# Altium PCB PCB1.PcbDoc (part 8 of 15) (continued)
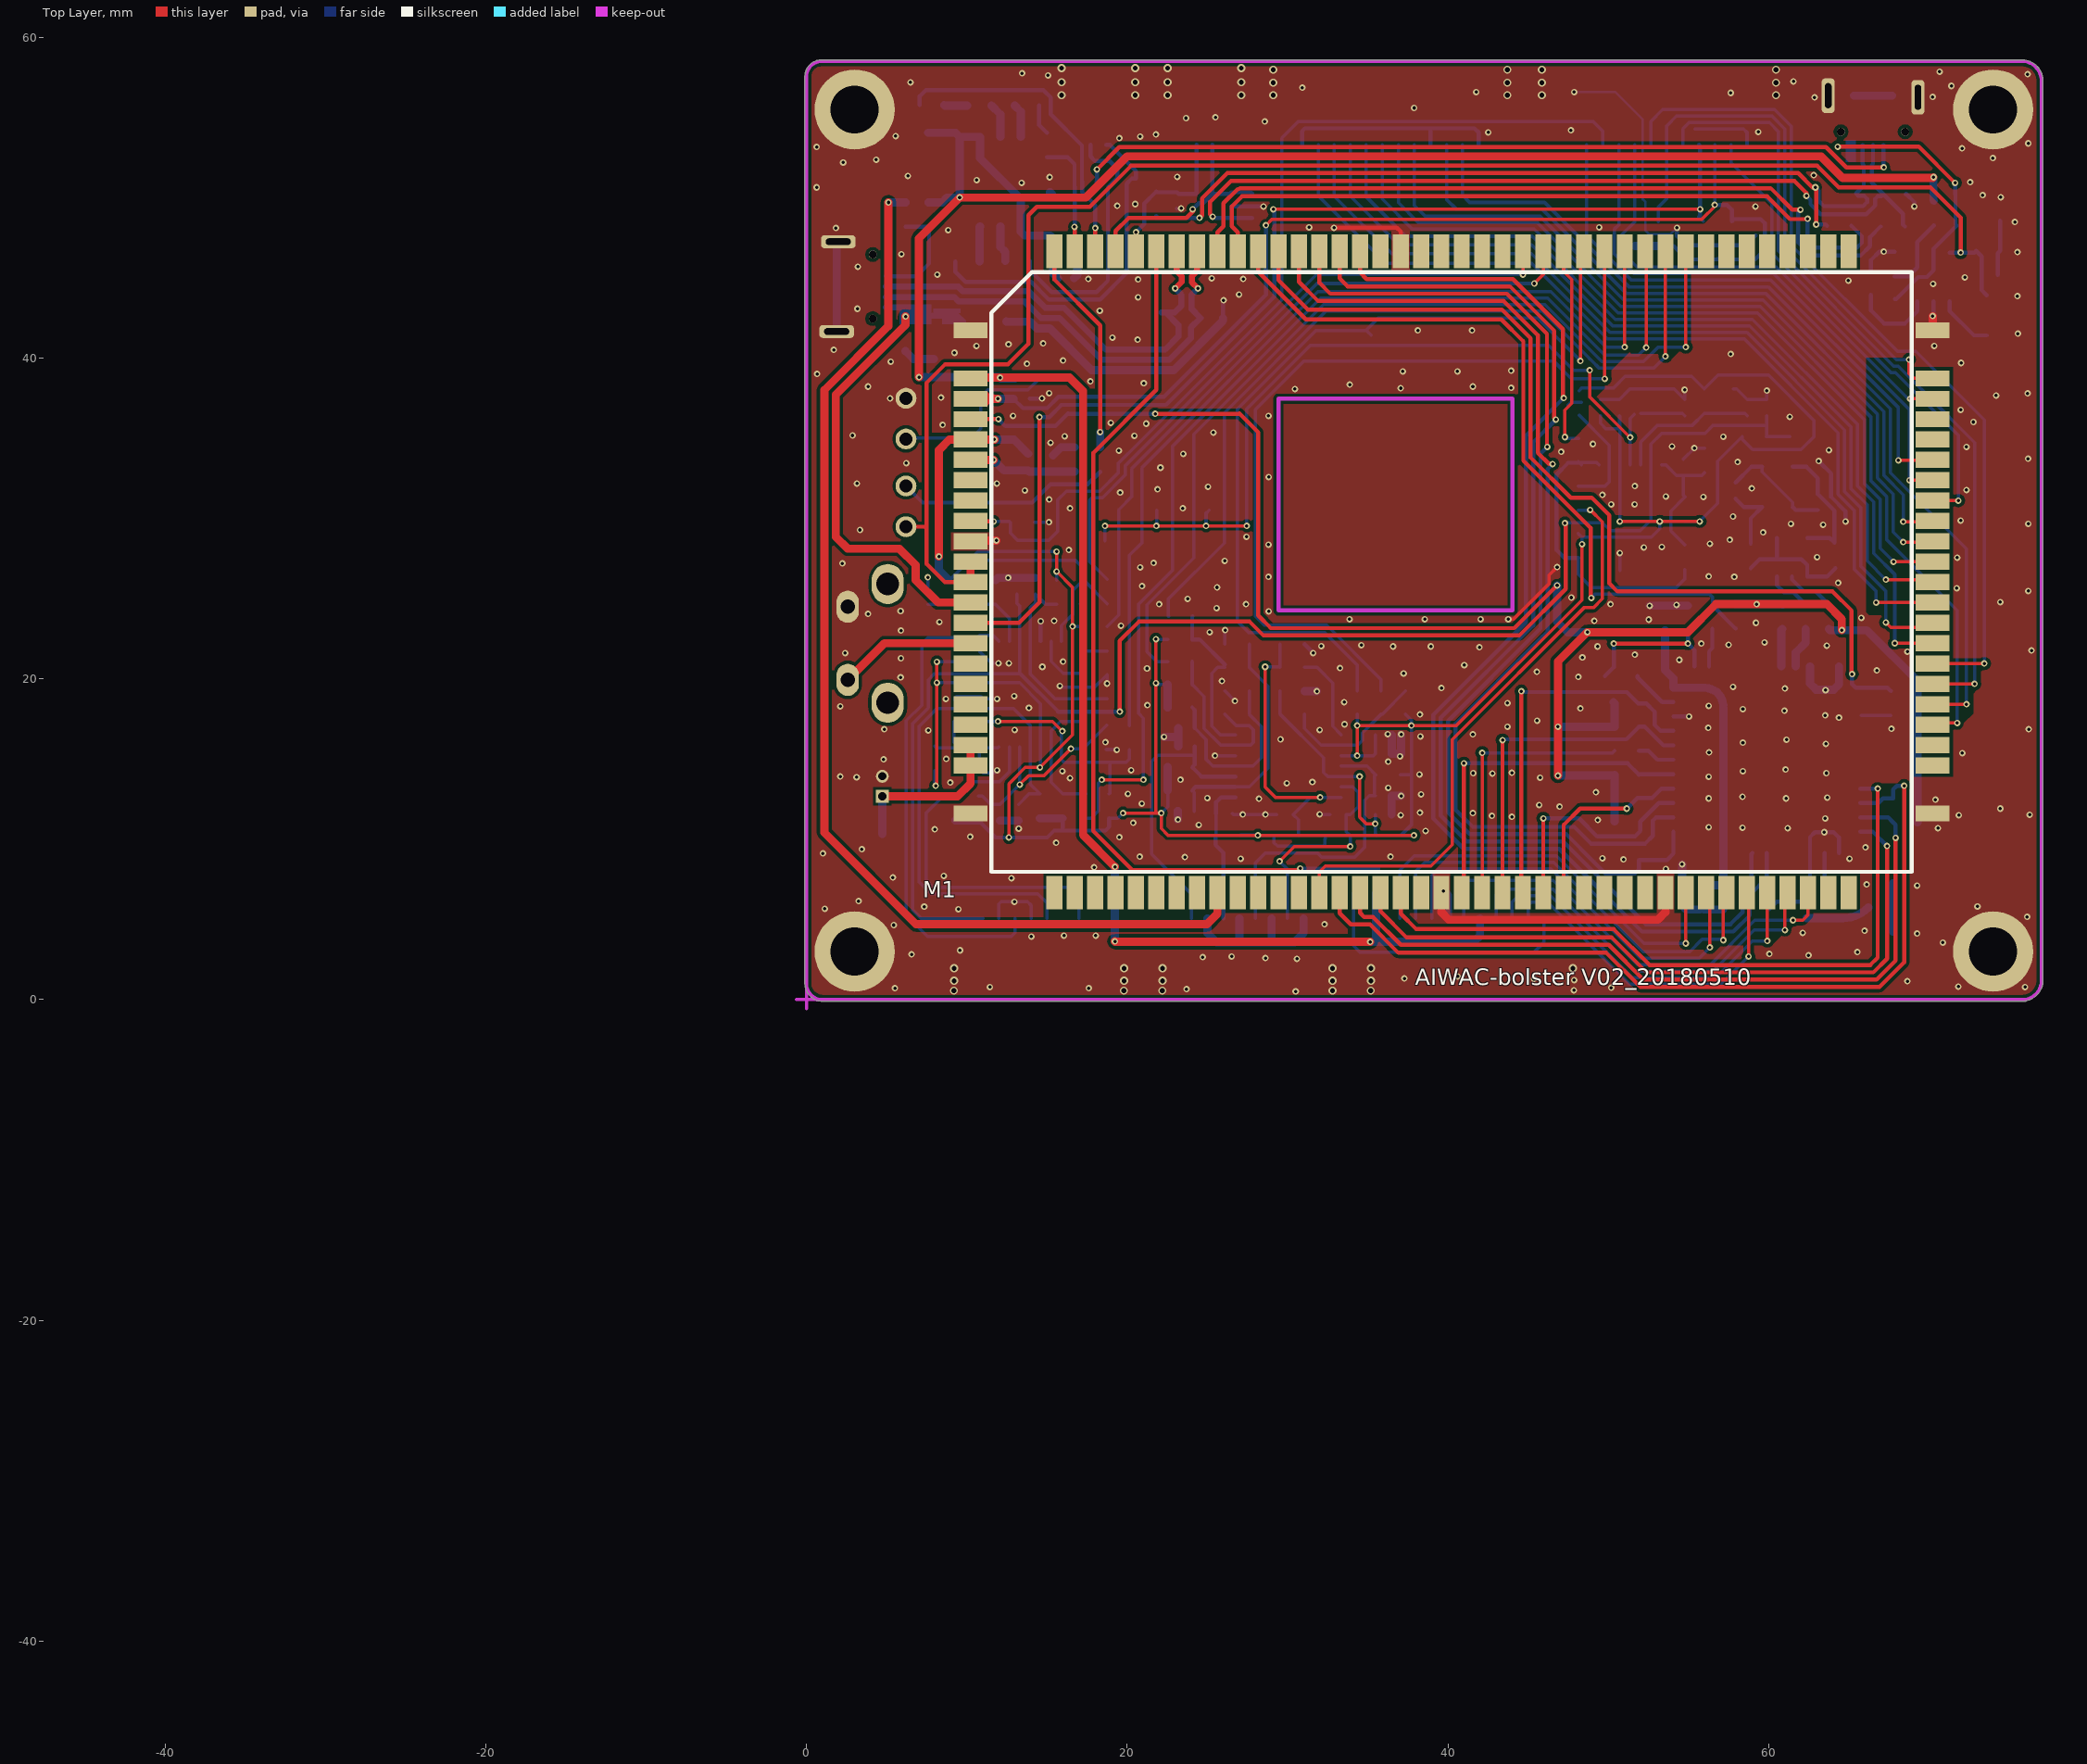
[diagram p0: Top Layer view]
## Free pads (board coordinates) (continued)
1(-45.263,-43.971) 1(-45.263,-43.971) 1(-45.263,-43.971) 1(-45.263,-43.971) 1(-45.263,-43.971) 1(-45.262,-43.977) 1(-45.262,-43.977) 1(-45.262,-43.977) 1(-45.262,-43.984) 1(-45.262,-43.984) 1(-45.262,-43.984) 1(-45.262,-43.984) 1(-45.262,-43.984) 1(-45.262,-43.984) 1(-45.262,-44.012) 1(-45.262,-44.012) 1(-45.262,-44.012) 1(-45.262,-44.012) 1(-45.262,-44.012) 1(-45.262,-44.012) 1(-45.262,-44.011) 1(-45.262,-44.011) 1(-45.262,-44.011) 1(-45.262,-44.003) 1(-45.262,-44.003) 1(-45.262,-44.003) 1(-45.262,-44.003) 1(-45.262,-44.003) 1(-45.262,-44.003) 1(-45.262,-44.003) 1(-45.262,-44.003) 1(-45.262,-44.003) 1(-45.262,-44.003) 1(-45.262,-44.003) 1(-45.262,-44.003) 1(-45.262,-43.983) 1(-45.262,-43.983) 1(-45.262,-43.983) 1(-45.262,-43.983) 1(-45.262,-43.983) 1(-45.262,-43.983) 1(-45.262,-43.98) 1(-45.262,-43.98) 1(-45.262,-43.98) 1(-45.262,-43.98) 1(-45.262,-43.98) 1(-45.262,-43.98) 1(-45.262,-44.006) 1(-45.262,-44.006) 1(-45.262,-44.006) 1(-45.262,-43.98) 1(-45.262,-43.98) 1(-45.262,-43.98) 1(-45.262,-43.98) 1(-45.262,-43.98) 1(-45.262,-43.98) 1(-45.262,-44.004) 1(-45.262,-44.004) 1(-45.262,-44.004) 1(-45.262,-44.004) 1(-45.262,-44.004) 1(-45.262,-44.004) 1(-45.262,-44.016) 1(-45.262,-44.016) 1(-45.262,-44.016) 1(-45.262,-44.016) 1(-45.262,-44.016) 1(-45.262,-44.016) 1(-45.262,-43.981) 1(-45.262,-43.981) 1(-45.262,-43.981) 1(-45.262,-43.981) 1(-45.262,-43.981) 1(-45.262,-43.981) 1(-45.262,-43.975) 1(-45.262,-43.975) 1(-45.262,-43.975) 1(-45.262,-43.975) 1(-45.262,-43.975) 1(-45.262,-43.975) 1(-45.262,-43.972) 1(-45.262,-43.972) 1(-45.262,-43.972) 1(-45.262,-44.013) 1(-45.262,-44.013) 1(-45.262,-44.013) 1(-45.262,-44.008) 1(-45.262,-44.008) 1(-45.262,-44.008) 1(-45.262,-44.013) 1(-45.262,-44.013) 1(-45.262,-44.013) 1(-45.262,-44.012) 1(-45.262,-44.012) 1(-45.262,-44.012) 1(-45.262,-44.012) 1(-45.262,-44.012) 1(-45.262,-44.012) 1(-45.262,-44.012) 1(-45.262,-44.012) 1(-45.262,-44.012) 1(-45.262,-43.981) 1(-45.262,-43.981) 1(-45.262,-43.981) 1(-45.262,-43.981) 1(-45.262,-43.981) 1(-45.262,-43.981) 1(-45.262,-44.009) 1(-45.262,-44.009) 1(-45.262,-44.009) 1(-45.262,-44.009) 1(-45.262,-44.009) 1(-45.262,-44.009) 1(-45.262,-44.003) 1(-45.262,-44.003) 1(-45.262,-44.003) 1(-45.262,-44.016) 1(-45.262,-44.016) 1(-45.262,-44.016) 1(-45.262,-44.016) 1(-45.262,-44.016) 1(-45.262,-44.016) 1(-45.261,-44.015) 1(-45.261,-44.015) 1(-45.261,-44.015) 1(-45.261,-44.015) 1(-45.261,-44.015) 1(-45.261,-44.015) 1(-45.261,-43.982) 1(-45.261,-43.982) 1(-45.261,-43.982) 1(-45.261,-43.982) 1(-45.261,-43.982) 1(-45.261,-43.982) 1(-45.261,-44.011) 1(-45.261,-44.011) 1(-45.261,-44.011) 1(-45.261,-44.011) 1(-45.261,-44.011) 1(-45.261,-44.011) 1(-45.261,-44.01) 1(-45.261,-44.01) 1(-45.261,-44.01) 1(-45.261,-44.01) 1(-45.261,-44.01) 1(-45.261,-44.01) 1(-45.261,-44.02) 1(-45.261,-44.02) 1(-45.261,-44.02) 1(-45.261,-44.002) 1(-45.261,-44.002) 1(-45.261,-44.002) 1(-45.261,-44.002) 1(-45.261,-44.002) 1(-45.261,-44.002) 1(-45.261,-44.015) 1(-45.261,-44.015) 1(-45.261,-44.015) 1(-45.261,-44.015) 1(-45.261,-44.015) 1(-45.261,-44.015) 1(-45.261,-44.015) 1(-45.261,-44.015) 1(-45.261,-44.015) 1(-45.261,-44.015) 1(-45.261,-44.015) 1(-45.261,-44.015) 1(-45.261,-44.015) 1(-45.261,-44.015) 1(-45.261,-44.015) 1(-45.261,-44.015) 1(-45.261,-44.015) 1(-45.261,-44.015) 1(-45.261,-44.015) 1(-45.261,-44.015) 1(-45.261,-44.015) 1(-45.261,-43.982) 1(-45.261,-43.982) 1(-45.261,-43.982) 1(-45.261,-43.982) 1(-45.261,-43.982) 1(-45.261,-43.982) 1(-45.261,-44.002) 1(-45.261,-44.002) 1(-45.261,-44.002) 1(-45.261,-44.002) 1(-45.261,-44.002) 1(-45.261,-44.002) 1(-45.261,-44.011) 1(-45.261,-44.011) 1(-45.261,-44.011) 1(-45.261,-44.011) 1(-45.261,-44.011) 1(-45.261,-44.011) 1(-45.261,-44.013) 1(-45.261,-44.013) 1(-45.261,-44.013) 1(-45.261,-44.012) 1(-45.261,-44.012) 1(-45.261,-44.012) 1(-45.261,-44.012) 1(-45.261,-44.012) 1(-45.261,-44.012) 1(-45.261,-44.011) 1(-45.261,-44.011) 1(-45.261,-44.011) 1(-45.261,-44.01) 1(-45.261,-44.01) 1(-45.261,-44.01) 1(-45.261,-44.01) 1(-45.261,-44.01) 1(-45.261,-44.01) 1(-45.261,-44.009) 1(-45.261,-44.009) 1(-45.261,-44.009) 1(-45.261,-44.008) 1(-45.261,-44.008) 1(-45.261,-44.008) 1(-45.261,-44.008) 1(-45.261,-44.008) 1(-45.261,-44.008) 1(-45.261,-44.007) 1(-45.261,-44.007) 1(-45.261,-44.007) 1(-45.261,-44.007) 1(-45.261,-44.007) 1(-45.261,-44.007) 1(-45.261,-44.006) 1(-45.261,-44.006) 1(-45.261,-44.006) 1(-45.261,-44.006) 1(-45.261,-44.006) 1(-45.261,-44.006) 1(-45.261,-44.005) 1(-45.261,-44.005) 1(-45.261,-44.005) 1(-45.261,-44.005) 1(-45.261,-44.005) 1(-45.261,-44.005) 1(-45.261,-43.977) 1(-45.261,-43.977) 1(-45.261,-43.977) 1(-45.261,-43.975) 1(-45.261,-43.975) 1(-45.261,-43.975) 1(-45.261,-43.975) 1(-45.261,-43.975) 1(-45.261,-43.975) 1(-45.261,-43.972) 1(-45.261,-43.972) 1(-45.261,-43.972) 1(-45.26,-44.004) 1(-45.26,-44.004) 1(-45.26,-44.004) 1(-45.26,-44.012) 1(-45.26,-44.012) 1(-45.26,-44.012) 1(-45.26,-44.012) 1(-45.26,-44.012) 1(-45.26,-44.012) 1(-45.26,-44.011) 1(-45.26,-44.011) 1(-45.26,-44.011) 1(-45.26,-44.011) 1(-45.26,-44.011) 1(-45.26,-44.011) 1(-45.26,-44.01) 1(-45.26,-44.01) 1(-45.26,-44.01) 1(-45.26,-44.01) 1(-45.26,-44.01) 1(-45.26,-44.01) 1(-45.26,-44.009) 1(-45.26,-44.009) 1(-45.26,-44.009) 1(-45.26,-44.009) 1(-45.26,-44.009) 1(-45.26,-44.009) 1(-45.26,-44.008) 1(-45.26,-44.008) 1(-45.26,-44.008) 1(-45.26,-44.006) 1(-45.26,-44.006) 1(-45.26,-44.006) 1(-45.26,-44.008) 1(-45.26,-44.008) 1(-45.26,-44.008) 1(-45.26,-44.014) 1(-45.26,-44.014) 1(-45.26,-44.014) 1(-45.26,-44.014) 1(-45.26,-44.014) 1(-45.26,-44.014) 1(-45.26,-44.013) 1(-45.26,-44.013) 1(-45.26,-44.013) 1(-45.26,-44.013) 1(-45.26,-44.013) 1(-45.26,-44.013) 1(-45.26,-44.001) 1(-45.26,-44.001) 1(-45.26,-44.001) 1(-45.26,-44.015) 1(-45.26,-44.015) 1(-45.26,-44.015) 1(-45.26,-44.015) 1(-45.26,-44.015) 1(-45.26,-44.015) 1(-45.26,-44.015) 1(-45.26,-44.015) 1(-45.26,-44.015) 1(-45.26,-44.015) 1(-45.26,-44.015) 1(-45.26,-44.015) 1(-45.26,-43.987) 1(-45.26,-43.987) 1(-45.26,-43.987) 1(-45.26,-44.013) 1(-45.26,-44.013) 1(-45.26,-44.013) 1(-45.26,-44.013) 1(-45.26,-44.013) 1(-45.26,-44.013) 1(-45.26,-44.015) 1(-45.26,-44.015) 1(-45.26,-44.015) 1(-45.26,-44.015) 1(-45.26,-44.015) 1(-45.26,-44.015) 1(-45.26,-44.015) 1(-45.26,-44.015) 1(-45.26,-44.015) 1(-45.26,-44.015) 1(-45.26,-44.015) 1(-45.26,-44.015) 1(-45.26,-43.975) 1(-45.26,-43.975) 1(-45.26,-43.975) 1(-45.26,-43.975) 1(-45.26,-43.975) 1(-45.26,-43.975) 1(-45.26,-43.972) 1(-45.26,-43.972) 1(-45.26,-43.972) 1(-45.26,-44.012) 1(-45.26,-44.012) 1(-45.26,-44.012) 1(-45.26,-44.012) 1(-45.26,-44.012) 1(-45.26,-44.012) 1(-45.26,-44.011) 1(-45.26,-44.011) 1(-45.26,-44.011) 1(-45.26,-44.01) 1(-45.26,-44.01) 1(-45.26,-44.01) 1(-45.26,-44.01) 1(-45.26,-44.01) 1(-45.26,-44.01) 1(-45.26,-44.009) 1(-45.26,-44.009) 1(-45.26,-44.009) 1(-45.26,-44.012) 1(-45.26,-44.012) 1(-45.26,-44.012) 1(-45.26,-44.012) 1(-45.26,-44.012) 1(-45.26,-44.012) 1(-45.26,-44.017) 1(-45.26,-44.017) 1(-45.26,-44.017) 1(-45.26,-44.022) 1(-45.26,-44.022) 1(-45.26,-44.022) 1(-45.26,-44.022) 1(-45.26,-44.022) 1(-45.26,-44.022) 1(-45.26,-44.018) 1(-45.26,-44.018) 1(-45.26,-44.018) 1(-45.259,-44.016) 1(-45.259,-44.016) 1(-45.259,-44.016) 1(-45.259,-44.016) 1(-45.259,-44.016) 1(-45.259,-44.016) 1(-45.259,-44.008) 1(-45.259,-44.008) 1(-45.259,-44.008) 1(-45.259,-44.008) 1(-45.259,-44.008) 1(-45.259,-44.008) 1(-45.259,-44.007) 1(-45.259,-44.007) 1(-45.259,-44.007) 1(-45.259,-44.006) 1(-45.259,-44.006) 1(-45.259,-44.006) 1(-45.259,-44.004) 1(-45.259,-44.004) 1(-45.259,-44.004) 1(-45.259,-44.004) 1(-45.259,-44.004) 1(-45.259,-44.004) 1(-45.259,-44.01) 1(-45.259,-44.01) 1(-45.259,-44.01) 1(-45.259,-44.01) 1(-45.259,-44.01) 1(-45.259,-44.01) 1(-45.259,-44.01) 1(-45.259,-44.01) 1(-45.259,-44.01) 1(-45.259,-44.008) 1(-45.259,-44.008) 1(-45.259,-44.008) 1(-45.259,-44.008) 1(-45.259,-44.008) 1(-45.259,-44.008) 1(-45.259,-44.009) 1(-45.259,-44.009) 1(-45.259,-44.009) 1(-45.259,-44.009) 1(-45.259,-44.009) 1(-45.259,-44.009) 1(-45.259,-44.013) 1(-45.259,-44.013) 1(-45.259,-44.013) 1(-45.259,-44.013) 1(-45.259,-44.013) 1(-45.259,-44.013) 1(-45.259,-44.012) 1(-45.259,-44.012) 1(-45.259,-44.012) 1(-45.259,-44.012) 1(-45.259,-44.012) 1(-45.259,-44.012) 1(-45.259,-44.011) 1(-45.259,-44.011) 1(-45.259,-44.011) 1(-45.259,-44.011) 1(-45.259,-44.011) 1(-45.259,-44.011) 1(-45.259,-44.011) 1(-45.259,-44.011) 1(-45.259,-44.011) 1(-45.259,-44.011) 1(-45.259,-44.011) 1(-45.259,-44.011) 1(-45.259,-44.022) 1(-45.259,-44.022) 1(-45.259,-44.022) 1(-45.259,-44.022) 1(-45.259,-44.022) 1(-45.259,-44.022) 1(-45.259,-44.003) 1(-45.259,-44.003) 1(-45.259,-44.003) 1(-45.259,-44.009) 1(-45.259,-44.009) 1(-45.259,-44.009) 1(-45.259,-44.009) 1(-45.259,-44.009) 1(-45.259,-44.009) 1(-45.259,-44.008) 1(-45.259,-44.008) 1(-45.259,-44.008) 1(-45.259,-44.008) 1(-45.259,-44.008) 1(-45.259,-44.008) 1(-45.259,-44.015) 1(-45.259,-44.015) 1(-45.259,-44.015) 1(-45.259,-44.015) 1(-45.259,-44.015) 1(-45.259,-44.015) 1(-45.259,-44.013) 1(-45.259,-44.013) 1(-45.259,-44.013) 1(-45.259,-44.013) 1(-45.259,-44.013) 1(-45.259,-44.013) 1(-45.259,-43.985) 1(-45.259,-43.985) 1(-45.259,-43.985) 1(-45.259,-43.985) 1(-45.259,-43.985) 1(-45.259,-43.985) 1(-45.259,-43.983) 1(-45.259,-43.983) 1(-45.259,-43.983) 1(-45.259,-43.983) 1(-45.259,-43.983) 1(-45.259,-43.983) 1(-45.259,-43.975) 1(-45.259,-43.975) 1(-45.259,-43.975) 1(-45.259,-43.975) 1(-45.259,-43.975) 1(-45.259,-43.975) 1(-45.259,-43.972) 1(-45.259,-43.972) 1(-45.259,-43.972) 1(-45.259,-43.983) 1(-45.259,-43.983) 1(-45.259,-43.983) 1(-45.259,-44.01) 1(-45.259,-44.01) 1(-45.259,-44.01) 1(-45.259,-44.01) 1(-45.259,-44.01) 1(-45.259,-44.01) 1(-45.259,-44.012) 1(-45.259,-44.012) 1(-45.259,-44.012) 1(-45.259,-44.012) 1(-45.259,-44.012) 1(-45.259,-44.012) 1(-45.259,-44.021) 1(-45.259,-44.021) 1(-45.259,-44.021) 1(-45.258,-43.984) 1(-45.258,-43.984) 1(-45.258,-43.984) 1(-45.258,-44.01) 1(-45.258,-44.01) 1(-45.258,-44.01) 1(-45.258,-44.01) 1(-45.258,-44.01) 1(-45.258,-44.01) 1(-45.258,-44.012) 1(-45.258,-44.012) 1(-45.258,-44.012) 1(-45.258,-44.011) 1(-45.258,-44.011) 1(-45.258,-44.011) 1(-45.258,-44.011) 1(-45.258,-44.011) 1(-45.258,-44.011) 1(-45.258,-44.015) 1(-45.258,-44.015) 1(-45.258,-44.015) 1(-45.258,-44.015) 1(-45.258,-44.015) 1(-45.258,-44.015) 1(-45.258,-44.014) 1(-45.258,-44.014) 1(-45.258,-44.014) 1(-45.258,-44.014) 1(-45.258,-44.014) 1(-45.258,-44.014) 1(-45.258,-44.014) 1(-45.258,-44.014) 1(-45.258,-44.014) 1(-45.258,-44.013) 1(-45.258,-44.013) 1(-45.258,-44.013) 1(-45.258,-44.012) 1(-45.258,-44.012) 1(-45.258,-44.012) 1(-45.258,-44.01) 1(-45.258,-44.01) 1(-45.258,-44.01) 1(-45.258,-44.01) 1(-45.258,-44.01) 1(-45.258,-44.01) 1(-45.258,-44.008) 1(-45.258,-44.008) 1(-45.258,-44.008) 1(-45.258,-44.011) 1(-45.258,-44.011) 1(-45.258,-44.011) 1(-45.258,-44.011) 1(-45.258,-44.011) 1(-45.258,-44.011) 1(-45.258,-44.015) 1(-45.258,-44.015) 1(-45.258,-44.015) 1(-45.258,-43.982) 1(-45.258,-43.982) 1(-45.258,-43.982) 1(-45.258,-43.982) 1(-45.258,-43.982) 1(-45.258,-43.982) 1(-45.258,-44.007) 1(-45.258,-44.007) 1(-45.258,-44.007) 1(-45.258,-44.007) 1(-45.258,-44.007) 1(-45.258,-44.007) 1(-45.258,-44.006) 1(-45.258,-44.006) 1(-45.258,-44.006) 1(-45.258,-44.005) 1(-45.258,-44.005) 1(-45.258,-44.005) 1(-45.258,-44.005) 1(-45.258,-44.005) 1(-45.258,-44.005) 1(-45.258,-43.975) 1(-45.258,-43.975) 1(-45.258,-43.975) 1(-45.258,-43.975) 1(-45.258,-43.975) 1(-45.258,-43.975) 1(-45.258,-43.972) 1(-45.258,-43.972) 1(-45.258,-43.972) 1(-45.258,-44.007) 1(-45.258,-44.007) 1(-45.258,-44.007) 1(-45.258,-44.007) 1(-45.258,-44.007) 1(-45.258,-44.007) 1(-45.258,-43.979) 1(-45.258,-43.979) 1(-45.258,-43.979) 1(-45.258,-43.979) 1(-45.258,-43.979) 1(-45.258,-43.979) 1(-45.257,-44.008) 1(-45.257,-44.008) 1(-45.257,-44.008) 1(-45.257,-44.012) 1(-45.257,-44.012) 1(-45.257,-44.012) 1(-45.257,-44.01) 1(-45.257,-44.01) 1(-45.257,-44.01) 1(-45.257,-44.016) 1(-45.257,-44.016) 1(-45.257,-44.016) 1(-45.257,-43.978) 1(-45.257,-43.978) 1(-45.257,-43.978) 1(-45.257,-43.978) 1(-45.257,-43.978) 1(-45.257,-43.978) 1(-45.257,-44.003) 1(-45.257,-44.003) 1(-45.257,-44.003) 1(-45.257,-43.975) 1(-45.257,-43.975) 1(-45.257,-43.975) 1(-45.257,-43.975) 1(-45.257,-43.975) 1(-45.257,-43.975) 1(-45.257,-43.972) 1(-45.257,-43.972) 1(-45.257,-43.972) 1(-45.257,-43.984) 1(-45.257,-43.984) 1(-45.257,-43.984) 1(-45.257,-43.984) 1(-45.257,-43.984) 1(-45.257,-43.984) 1(-45.257,-43.978) 1(-45.257,-43.978) 1(-45.257,-43.978) 1(-45.257,-43.978) 1(-45.257,-43.978) 1(-45.257,-43.978) 1(-45.257,-44.02) 1(-45.257,-44.02) 1(-45.257,-44.02) 1(-45.257,-44.017) 1(-45.257,-44.017) 1(-45.257,-44.017) 1(-45.257,-44.017) 1(-45.257,-44.017) 1(-45.257,-44.017) 1(-45.257,-44.01) 1(-45.257,-44.01) 1(-45.257,-44.01) 1(-45.257,-44.011) 1(-45.257,-44.011) 1(-45.257,-44.011) 1(-45.257,-44.013) 1(-45.257,-44.013) 1(-45.257,-44.013) 1(-45.257,-43.987) 1(-45.257,-43.987) 1(-45.257,-43.987) 1(-45.257,-44.015) 1(-45.257,-44.015) 1(-45.257,-44.015) 1(-45.257,-44.015) 1(-45.257,-44.015) 1(-45.257,-44.015) 1(-45.257,-44.012) 1(-45.257,-44.012) 1(-45.257,-44.012) 1(-45.257,-44.008) 1(-45.257,-44.008) 1(-45.257,-44.008) 1(-45.256,-43.986) 1(-45.256,-43.986) 1(-45.256,-43.986) 1(-45.256,-44.005) 1(-45.256,-44.005) 1(-45.256,-44.005) 1(-45.256,-44.024) 1(-45.256,-44.024) 1(-45.256,-44.024) 1(-45.256,-44.007) 1(-45.256,-44.007) 1(-45.256,-44.007) 1(-45.256,-44.006) 1(-45.256,-44.006) 1(-45.256,-44.006) 1(-45.256,-43.977) 1(-45.256,-43.977) 1(-45.256,-43.977) 1(-45.256,-43.977) 1(-45.256,-43.977) 1(-45.256,-43.977) 1(-45.256,-44.014) 1(-45.256,-44.014) 1(-45.256,-44.014) 1(-45.256,-44.014) 1(-45.256,-44.014) 1(-45.256,-44.014) 1(-45.256,-44.011) 1(-45.256,-44.011) 1(-45.256,-44.011) 1(-45.256,-44.011) 1(-45.256,-44.011) 1(-45.256,-44.011) 1(-45.256,-44.011) 1(-45.256,-44.011) 1(-45.256,-44.011) 1(-45.256,-44.008) 1(-45.256,-44.008) 1(-45.256,-44.008) 1(-45.256,-44.008) 1(-45.256,-44.008) 1(-45.256,-44.008) 1(-45.256,-44.008) 1(-45.256,-44.008) 1(-45.256,-44.008) 1(-45.256,-44.007) 1(-45.256,-44.007) 1(-45.256,-44.007) 1(-45.256,-44.007) 1(-45.256,-44.007) 1(-45.256,-44.007) 1(-45.256,-43.977) 1(-45.256,-43.977) 1(-45.256,-43.977) 1(-45.256,-43.977) 1(-45.256,-43.977) 1(-45.256,-43.977) 1(-45.256,-44.015) 1(-45.256,-44.015) 1(-45.256,-44.015) 1(-45.256,-44.015) 1(-45.256,-44.015) 1(-45.256,-44.015) 1(-45.256,-44.016) 1(-45.256,-44.016) 1(-45.256,-44.016) 1(-45.256,-44.016) 1(-45.256,-44.016) 1(-45.256,-44.016) 1(-45.256,-43.969) 1(-45.256,-43.969) 1(-45.256,-43.969) 1(-45.256,-43.975) 1(-45.256,-43.975) 1(-45.256,-43.975) 1(-45.256,-43.975) 1(-45.256,-43.975) 1(-45.256,-43.975) 1(-45.256,-43.972) 1(-45.256,-43.972) 1(-45.256,-43.972) 1(-45.256,-44.02) 1(-45.256,-44.02) 1(-45.256,-44.02) 1(-45.256,-44.017) 1(-45.256,-44.017) 1(-45.256,-44.017) 1(-45.256,-44.017) 1(-45.256,-44.017) 1(-45.256,-44.017) 1(-45.256,-43.983) 1(-45.256,-43.983) 1(-45.256,-43.983) 1(-45.256,-43.976) 1(-45.256,-43.976) 1(-45.256,-43.976) 1(-45.256,-43.976) 1(-45.256,-43.976) 1(-45.256,-43.976) 1(-45.255,-44.011) 1(-45.255,-44.011) 1(-45.255,-44.011) 1(-45.255,-44.013) 1(-45.255,-44.013) 1(-45.255,-44.013) 1(-45.255,-44.007) 1(-45.255,-44.007) 1(-45.255,-44.007) 1(-45.255,-44.009) 1(-45.255,-44.009) 1(-45.255,-44.009) 1(-45.255,-44.012) 1(-45.255,-44.012) 1(-45.255,-44.012) 1(-45.255,-44.016) 1(-45.255,-44.016) 1(-45.255,-44.016) 1(-45.255,-44.016) 1(-45.255,-44.016) 1(-45.255,-44.016) 1(-45.255,-44.001) 1(-45.255,-44.001) 1(-45.255,-44.001) 1(-45.255,-43.976) 1(-45.255,-43.976) 1(-45.255,-43.976) 1(-45.255,-43.976) 1(-45.255,-43.976) 1(-45.255,-43.976) 1(-45.255,-44.014) 1(-45.255,-44.014) 1(-45.255,-44.014) 1(-45.255,-43.971) 1(-45.255,-43.971) 1(-45.255,-43.971) 1(-45.255,-43.971) 1(-45.255,-43.971) 1(-45.255,-43.971) 1(-45.255,-43.971) 1(-45.255,-43.971) 1(-45.255,-43.971) 1(-45.255,-43.972) 1(-45.255,-43.972) 1(-45.255,-43.972) 1(-45.255,-43.971) 1(-45.255,-43.971) 1(-45.255,-43.971) 1(-45.255,-43.971) 1(-45.255,-43.971) 1(-45.255,-43.971) 1(-45.255,-44.003) 1(-45.255,-44.003) 1(-45.255,-44.003) 1(-45.255,-44.02) 1(-45.255,-44.02) 1(-45.255,-44.02) 1(-45.255,-44.017) 1(-45.255,-44.017) 1(-45.255,-44.017) 1(-45.255,-44.017) 1(-45.255,-44.017) 1(-45.255,-44.017) 1(-45.255,-44.014) 1(-45.255,-44.014) 1(-45.255,-44.014) 1(-45.255,-44.014) 1(-45.255,-44.014) 1(-45.255,-44.014) 1(-45.255,-44.007) 1(-45.255,-44.007) 1(-45.255,-44.007) 1(-45.255,-44.007) 1(-45.255,-44.007) 1(-45.255,-44.007) 1(-45.254,-44.017) 1(-45.254,-44.017) 1(-45.254,-44.017) 1(-45.254,-44.017) 1(-45.254,-44.017) 1(-45.254,-44.017) 1(-45.254,-44.013) 1(-45.254,-44.013) 1(-45.254,-44.013) 1(-45.254,-44.013) 1(-45.254,-44.013) 1(-45.254,-44.013) 1(-45.254,-44.007) 1(-45.254,-44.007) 1(-45.254,-44.007) 1(-45.254,-44.007) 1(-45.254,-44.007) 1(-45.254,-44.007) 1(-45.254,-44.005) 1(-45.254,-44.005) 1(-45.254,-44.005) 1(-45.254,-44.018) 1(-45.254,-44.018) 1(-45.254,-44.018) 1(-45.254,-43.975) 1(-45.254,-43.975) 1(-45.254,-43.975) 1(-45.254,-43.975) 1(-45.254,-43.975) 1(-45.254,-43.975) 1(-45.254,-43.972) 1(-45.254,-43.972) 1(-45.254,-43.972) 1(-45.254,-44.013) 1(-45.254,-44.013) 1(-45.254,-44.013) 1(-45.254,-44.013) 1(-45.254,-44.013) 1(-45.254,-44.013) 1(-45.254,-44.008) 1(-45.254,-44.008) 1(-45.254,-44.008) 1(-45.254,-44.008) 1(-45.254,-44.008) 1(-45.254,-44.008) 1(-45.253,-44.013) 1(-45.253,-44.013) 1(-45.253,-44.013) 1(-45.253,-44.013) 1(-45.253,-44.013) 1(-45.253,-44.013) 1(-45.253,-44.008) 1(-45.253,-44.008) 1(-45.253,-44.008) 1(-45.253,-44.008) 1(-45.253,-44.008) 1(-45.253,-44.008) 1(-45.253,-43.976) 1(-45.253,-43.976) 1(-45.253,-43.976) 1(-45.253,-43.976) 1(-45.253,-43.976) 1(-45.253,-43.976) 1(-45.253,-43.986) 1(-45.253,-43.986) 1(-45.253,-43.986) 1(-45.253,-44.023) 1(-45.253,-44.023) 1(-45.253,-44.023) 1(-45.253,-43.975) 1(-45.253,-43.975) 1(-45.253,-43.975) 1(-45.253,-43.975) 1(-45.253,-43.975) 1(-45.253,-43.975) 1(-45.253,-43.972) 1(-45.253,-43.972) 1(-45.253,-43.972) 1(-45.253,-44.016) 1(-45.253,-44.016) 1(-45.253,-44.016) 1(-45.253,-44.016) 1(-45.253,-44.016) 1(-45.253,-44.016) 1(-45.253,-44.01) 1(-45.253,-44.01) 1(-45.253,-44.01) 1(-45.253,-44.01) 1(-45.253,-44.01) 1(-45.253,-44.01) 1(-45.253,-44.02) 1(-45.253,-44.02) 1(-45.253,-44.02) 1(-45.253,-44.018) 1(-45.253,-44.018) 1(-45.253,-44.018) 1(-45.253,-44.018) 1(-45.253,-44.018) 1(-45.253,-44.018) 1(-45.253,-44.004) 1(-45.253,-44.004) 1(-45.253,-44.004) 1(-45.252,-44.015) 1(-45.252,-44.015) 1(-45.252,-44.015) 1(-45.252,-44.015) 1(-45.252,-44.015) 1(-45.252,-44.015) 1(-45.252,-44.017) 1(-45.252,-44.017) 1(-45.252,-44.017) 1(-45.252,-44.017) 1(-45.252,-44.017) 1(-45.252,-44.017) 1(-45.252,-43.975) 1(-45.252,-43.975) 1(-45.252,-43.975) 1(-45.252,-43.975) 1(-45.252,-43.975) 1(-45.252,-43.975) 1(-45.252,-44.015) 1(-45.252,-44.015) 1(-45.252,-44.015) 1(-45.252,-44.015) 1(-45.252,-44.015) 1(-45.252,-44.015) 1(-45.252,-43.983) 1(-45.252,-43.983) 1(-45.252,-43.983) 1(-45.252,-44.014) 1(-45.252,-44.014) 1(-45.252,-44.014) 1(-45.252,-44.014) 1(-45.252,-44.014) 1(-45.252,-44.014) 1(-45.252,-44.013) 1(-45.252,-44.013) 1(-45.252,-44.013) 1(-45.252,-44.008) 1(-45.252,-44.008) 1(-45.252,-44.008) 1(-45.252,-43.987) 1(-45.252,-43.987) 1(-45.252,-43.987) 1(-45.252,-44.011) 1(-45.252,-44.011) 1(-45.252,-44.011) 1(-45.252,-43.971) 1(-45.252,-43.971) 1(-45.252,-43.971) 1(-45.252,-43.971) 1(-45.252,-43.971) 1(-45.252,-43.971) 1(-45.252,-43.968) 1(-45.252,-43.968) 1(-45.252,-43.968) 1(-45.252,-43.972) 1(-45.252,-43.972) 1(-45.252,-43.972) 1(-45.252,-43.971) 1(-45.252,-43.971) 1(-45.252,-43.971) 1(-45.252,-43.971) 1(-45.252,-43.971) 1(-45.252,-43.971) 1(-45.252,-44.003) 1(-45.252,-44.003) 1(-45.252,-44.003) 1(-45.252,-44.001) 1(-45.252,-44.001) 1(-45.252,-44.001) 1(-45.252,-44.01) 1(-45.252,-44.01) 1(-45.252,-44.01) 1(-45.252,-44.01) 1(-45.252,-44.01) 1(-45.252,-44.01) 1(-45.252,-44.01) 1(-45.252,-44.01) 1(-45.252,-44.01) 1(-45.252,-44.01) 1(-45.252,-44.01) 1(-45.252,-44.01) 1(-45.251,-43.971) 1(-45.251,-43.971) 1(-45.251,-43.971) 1(-45.251,-44.013) 1(-45.251,-44.013) 1(-45.251,-44.013) 1(-45.251,-44.011) 1(-45.251,-44.011) 1(-45.251,-44.011) 1(-45.251,-44.02) 1(-45.251,-44.02) 1(-45.251,-44.02) 1(-45.251,-44.018) 1(-45.251,-44.018) 1(-45.251,-44.018) 1(-45.251,-44.018) 1(-45.251,-44.018) 1(-45.251,-44.018) 1(-45.25,-44.018) 1(-45.25,-44.018) 1(-45.25,-44.018) 1(-45.25,-44.018) 1(-45.25,-44.018) 1(-45.25,-44.018) 1(-45.25,-44.009) 1(-45.25,-44.009) 1(-45.25,-44.009) 1(-45.25,-44.009) 1(-45.25,-44.009) 1(-45.25,-44.009) 1(-45.25,-44.009) 1(-45.25,-44.009) 1(-45.25,-44.009) 1(-45.25,-44.009) 1(-45.25,-44.009) 1(-45.25,-44.009) 1(-45.25,-44.008) 1(-45.25,-44.008) 1(-45.25,-44.008) 1(-45.25,-44.006) 1(-45.25,-44.006) 1(-45.25,-44.006) 1(-45.25,-44.001) 1(-45.25,-44.001) 1(-45.25,-44.001) 1(-45.25,-43.987) 1(-45.25,-43.987) 1(-45.25,-43.987) 1(-45.25,-43.986) 1(-45.25,-43.986) 1(-45.25,-43.986) 1(-45.25,-44.014) 1(-45.25,-44.014) 1(-45.25,-44.014) 1(-45.25,-44.011) 1(-45.25,-44.011) 1(-45.25,-44.011) 1(-45.25,-44.02) 1(-45.25,-44.02) 1(-45.25,-44.02) 1(-45.25,-44.019) 1(-45.25,-44.019) 1(-45.25,-44.019) 1(-45.25,-44.019) 1(-45.25,-44.019) 1(-45.25,-44.019) 1(-45.249,-44.018) 1(-45.249,-44.018) 1(-45.249,-44.018) 1(-45.249,-44.018) 1(-45.249,-44.018) 1(-45.249,-44.018) 1(-45.249,-44.006) 1(-45.249,-44.006) 1(-45.249,-44.006) 1(-45.249,-44.006) 1(-45.249,-44.006) 1(-45.249,-44.006) 1(-45.249,-44.006) 1(-45.249,-44.006) 1(-45.249,-44.006) 1(-45.249,-44.006) 1(-45.249,-44.006) 1(-45.249,-44.006) 1(-45.249,-43.98) 1(-45.249,-43.98) 1(-45.249,-43.98) 1(-45.249,-43.98) 1(-45.249,-43.98) 1(-45.249,-43.98) 1(-45.249,-44.001) 1(-45.249,-44.001) 1(-45.249,-44.001) 1(-45.249,-44.001) 1(-45.249,-44.001) 1(-45.249,-44.001) 1(-45.249,-43.99) 1(-45.249,-43.99) 1(-45.249,-43.99) 1(-45.249,-43.99) 1(-45.249,-43.99) 1(-45.249,-43.99) 1(-45.249,-44.02) 1(-45.249,-44.02) 1(-45.249,-44.02) 1(-45.249,-44.019) 1(-45.249,-44.019) 1(-45.249,-44.019) 1(-45.249,-44.019) 1(-45.249,-44.019) 1(-45.249,-44.019) 1(-45.248,-43.978) 1(-45.248,-43.978) 1(-45.248,-43.978) 1(-45.248,-43.978) 1(-45.248,-43.978) 1(-45.248,-43.978) 1(-45.248,-44.019) 1(-45.248,-44.019) 1(-45.248,-44.019) 1(-45.248,-44.019) 1(-45.248,-44.019) 1(-45.248,-44.019) 1(-45.248,-43.978) 1(-45.248,-43.978) 1(-45.248,-43.978) 1(-45.248,-43.978) 1(-45.248,-43.978) 1(-45.248,-43.978) 1(-45.248,-43.979) 1(-45.248,-43.979) 1(-45.248,-43.979) 1(-45.248,-43.979) 1(-45.248,-43.979) 1(-45.248,-43.979) 1(-45.248,-43.977) 1(-45.248,-43.977) 1(-45.248,-43.977) 1(-45.248,-43.977) 1(-45.248,-43.977) 1(-45.248,-43.977) 1(-45.248,-44.002) 1(-45.248,-44.002) 1(-45.248,-44.002) 1(-45.248,-44.002) 1(-45.248,-44.002) 1(-45.248,-44.002) 1(-45.248,-43.99) 1(-45.248,-43.99) 1(-45.248,-43.99) 1(-45.248,-43.99) 1(-45.248,-43.99) 1(-45.248,-43.99) 1(-45.248,-44.024) 1(-45.248,-44.024) 1(-45.248,-44.024) 1(-45.248,-43.977) 1(-45.248,-43.977) 1(-45.248,-43.977) 1(-45.248,-43.977) 1(-45.248,-43.977) 1(-45.248,-43.977) 1(-45.248,-44.022) 1(-45.248,-44.022) 1(-45.248,-44.022) 1(-45.248,-44.022) 1(-45.248,-44.022) 1(-45.248,-44.022) 1(-45.248,-43.98) 1(-45.248,-43.98) 1(-45.248,-43.98) 1(-45.248,-43.98) 1(-45.248,-43.98) 1(-45.248,-43.98) 1(-45.248,-44.002) 1(-45.248,-44.002) 1(-45.248,-44.002) 1(-45.248,-44.002) 1(-45.248,-44.002) 1(-45.248,-44.002) 1(-45.248,-44.002) 1(-45.248,-44.002) 1(-45.248,-44.002) 1(-45.248,-44.002) 1(-45.248,-44.002) 1(-45.248,-44.002) 1(-45.248,-44.004) 1(-45.248,-44.004) 1(-45.248,-44.004) 1(-45.248,-43.976) 1(-45.248,-43.976) 1(-45.248,-43.976) 1(-45.248,-43.976) 1(-45.248,-43.976) 1(-45.248,-43.976) 1(-45.248,-44.008) 1(-45.248,-44.008) 1(-45.248,-44.008) 1(-45.248,-43.982) 1(-45.248,-43.982) 1(-45.248,-43.982) 1(-45.248,-43.982) 1(-45.248,-43.982) 1(-45.248,-43.982) 1(-45.248,-44.013) 1(-45.248,-44.013) 1(-45.248,-44.013) 1(-45.248,-44.003) 1(-45.248,-44.003) 1(-45.248,-44.003) 1(-45.248,-44.003) 1(-45.248,-44.003) 1(-45.248,-44.003) 1(-45.248,-44.003) 1(-45.248,-44.003) 1(-45.248,-44.003) 1(-45.248,-44.003) 1(-45.248,-44.003) 1(-45.248,-44.003) 1(-45.248,-43.976) 1(-45.248,-43.976) 1(-45.248,-43.976) 1(-45.248,-43.976) 1(-45.248,-43.976) 1(-45.248,-43.976) 1(-45.248,-44.011) 1(-45.248,-44.011) 1(-45.248,-44.011) 1(-45.248,-44.002) 1(-45.248,-44.002) 1(-45.248,-44.002) 1(-45.248,-44.002) 1(-45.248,-44.002) 1(-45.248,-44.002) 1(-45.248,-43.991) 1(-45.248,-43.991) 1(-45.248,-43.991) 1(-45.248,-43.991) 1(-45.248,-43.991) 1(-45.248,-43.991) 1(-45.248,-43.976) 1(-45.248,-43.976) 1(-45.248,-43.976) 1(-45.248,-43.976) 1(-45.248,-43.976) 1(-45.248,-43.976) 1(-45.248,-43.982) 1(-45.248,-43.982) 1(-45.248,-43.982) 1(-45.248,-43.982) 1(-45.248,-43.982) 1(-45.248,-43.982) 1(-45.248,-44.014) 1(-45.248,-44.014) 1(-45.248,-44.014) 1(-45.248,-44.014) 1(-45.248,-44.014) 1(-45.248,-44.014) 1(-45.248,-44.021) 1(-45.248,-44.021) 1(-45.248,-44.021) 1(-45.248,-44.021) 1(-45.248,-44.021) 1(-45.248,-44.021) 1(-45.248,-44.02) 1(-45.248,-44.02) 1(-45.248,-44.02) 1(-45.248,-43.975) 1(-45.248,-43.975) 1(-45.248,-43.975) 1(-45.248,-43.975) 1(-45.248,-43.975) 1(-45.248,-43.975) 1(-45.248,-43.982) 1(-45.248,-43.982) 1(-45.248,-43.982) 1(-45.248,-43.982) 1(-45.248,-43.982) 1(-45.248,-43.982) 1(-45.247,-43.99) 1(-45.247,-43.99) 1(-45.247,-43.99) 1(-45.247,-43.99) 1(-45.247,-43.99) 1(-45.247,-43.99) 1(-45.247,-44.019) 1(-45.247,-44.019) 1(-45.247,-44.019) 1(-45.247,-44.019) 1(-45.247,-44.019) 1(-45.247,-44.019) 1(-45.247,-43.981) 1(-45.247,-43.981) 1(-45.247,-43.981) 1(-45.247,-43.981) 1(-45.247,-43.981) 1(-45.247,-43.981) 1(-45.247,-44.002) 1(-45.247,-44.002) 1(-45.247,-44.002) 1(-45.247,-44.002) 1(-45.247,-44.002) 1(-45.247,-44.002) 1(-45.247,-43.992) 1(-45.247,-43.992) 1(-45.247,-43.992) 1(-45.247,-43.992) 1(-45.247,-43.992) 1(-45.247,-43.992) 1(-45.247,-43.984) 1(-45.247,-43.984) 1(-45.247,-43.984) 1(-45.247,-43.984) 1(-45.247,-43.984) 1(-45.247,-43.984) 1(-45.247,-44.018) 1(-45.247,-44.018) 1(-45.247,-44.018) 1(-45.247,-44.018) 1(-45.247,-44.018) 1(-45.247,-44.018) 1(-45.247,-43.981) 1(-45.247,-43.981) 1(-45.247,-43.981) 1(-45.247,-43.981) 1(-45.247,-43.981) 1(-45.247,-43.981) 1(-45.247,-44.017) 1(-45.247,-44.017) 1(-45.247,-44.017) 1(-45.247,-44.017) 1(-45.247,-44.017) 1(-45.247,-44.017) 1(-45.247,-43.992) 1(-45.247,-43.992) 1(-45.247,-43.992) 1(-45.247,-43.992) 1(-45.247,-43.992) 1(-45.247,-43.992) 1(-45.247,-44.018) 1(-45.247,-44.018) 1(-45.247,-44.018) 1(-45.247,-44.018) 1(-45.247,-44.018) 1(-45.247,-44.018) 1(-45.247,-44.017) 1(-45.247,-44.017) 1(-45.247,-44.017) 1(-45.247,-44.017) 1(-45.247,-44.017) 1(-45.247,-44.017) 1(-45.247,-43.985) 1(-45.247,-43.985) 1(-45.247,-43.985) 1(-45.247,-43.985) 1(-45.247,-43.985) 1(-45.247,-43.985) 1(-45.247,-44.016) 1(-45.247,-44.016) 1(-45.247,-44.016) 1(-45.247,-44.016) 1(-45.247,-44.016) 1(-45.247,-44.016) 1(-45.247,-43.989) 1(-45.247,-43.989) 1(-45.247,-43.989) 1(-45.247,-43.989) 1(-45.247,-43.989) 1(-45.247,-43.989) 1(-45.247,-43.997) 1(-45.247,-43.997) 1(-45.247,-43.997) 1(-45.247,-43.997) 1(-45.247,-43.997) 1(-45.247,-43.997) 1(-45.247,-43.992) 1(-45.247,-43.992) 1(-45.247,-43.992) 1(-45.247,-43.992) 1(-45.247,-43.992) 1(-45.247,-43.992) 1(-45.247,-44.016) 1(-45.247,-44.016) 1(-45.247,-44.016) 1(-45.247,-44.016) 1(-45.247,-44.016) 1(-45.247,-44.016) 1(-45.247,-43.999) 1(-45.247,-43.999) 1(-45.247,-43.999) 1(-45.247,-43.998) 1(-45.247,-43.998) 1(-45.247,-43.998) 1(-45.247,-44.011) 1(-45.247,-44.011) 1(-45.247,-44.011) 1(-45.247,-44.008) 1(-45.247,-44.008) 1(-45.247,-44.008) 1(-45.247,-44.016) 1(-45.247,-44.016) 1(-45.247,-44.016) 1(-45.247,-44.016) 1(-45.247,-44.016) 1(-45.247,-44.016) 1(-45.247,-44.013) 1(-45.247,-44.013) 1(-45.247,-44.013) 1(-45.247,-43.991) 1(-45.247,-43.991) 1(-45.247,-43.991) 1(-45.246,-44.015) 1(-45.246,-44.015) 1(-45.246,-44.015) 1(-45.246,-44.015) 1(-45.246,-44.015) 1(-45.246,-44.015) 1(-45.246,-43.987) 1(-45.246,-43.987) 1(-45.246,-43.987) 1(-45.246,-43.987) 1(-45.246,-43.987) 1(-45.246,-43.987) 1(-45.246,-43.997) 1(-45.246,-43.997) 1(-45.246,-43.997) 1(-45.246,-43.997) 1(-45.246,-43.997) 1(-45.246,-43.997) 1(-45.246,-43.995) 1(-45.246,-43.995) 1(-45.246,-43.995) 1(-45.246,-43.995) 1(-45.246,-43.995) 1(-45.246,-43.995) 1(-45.246,-43.99) 1(-45.246,-43.99) 1(-45.246,-43.99)